# Altium PCB OneBox.PcbDoc (part 1 of 13) (continued)
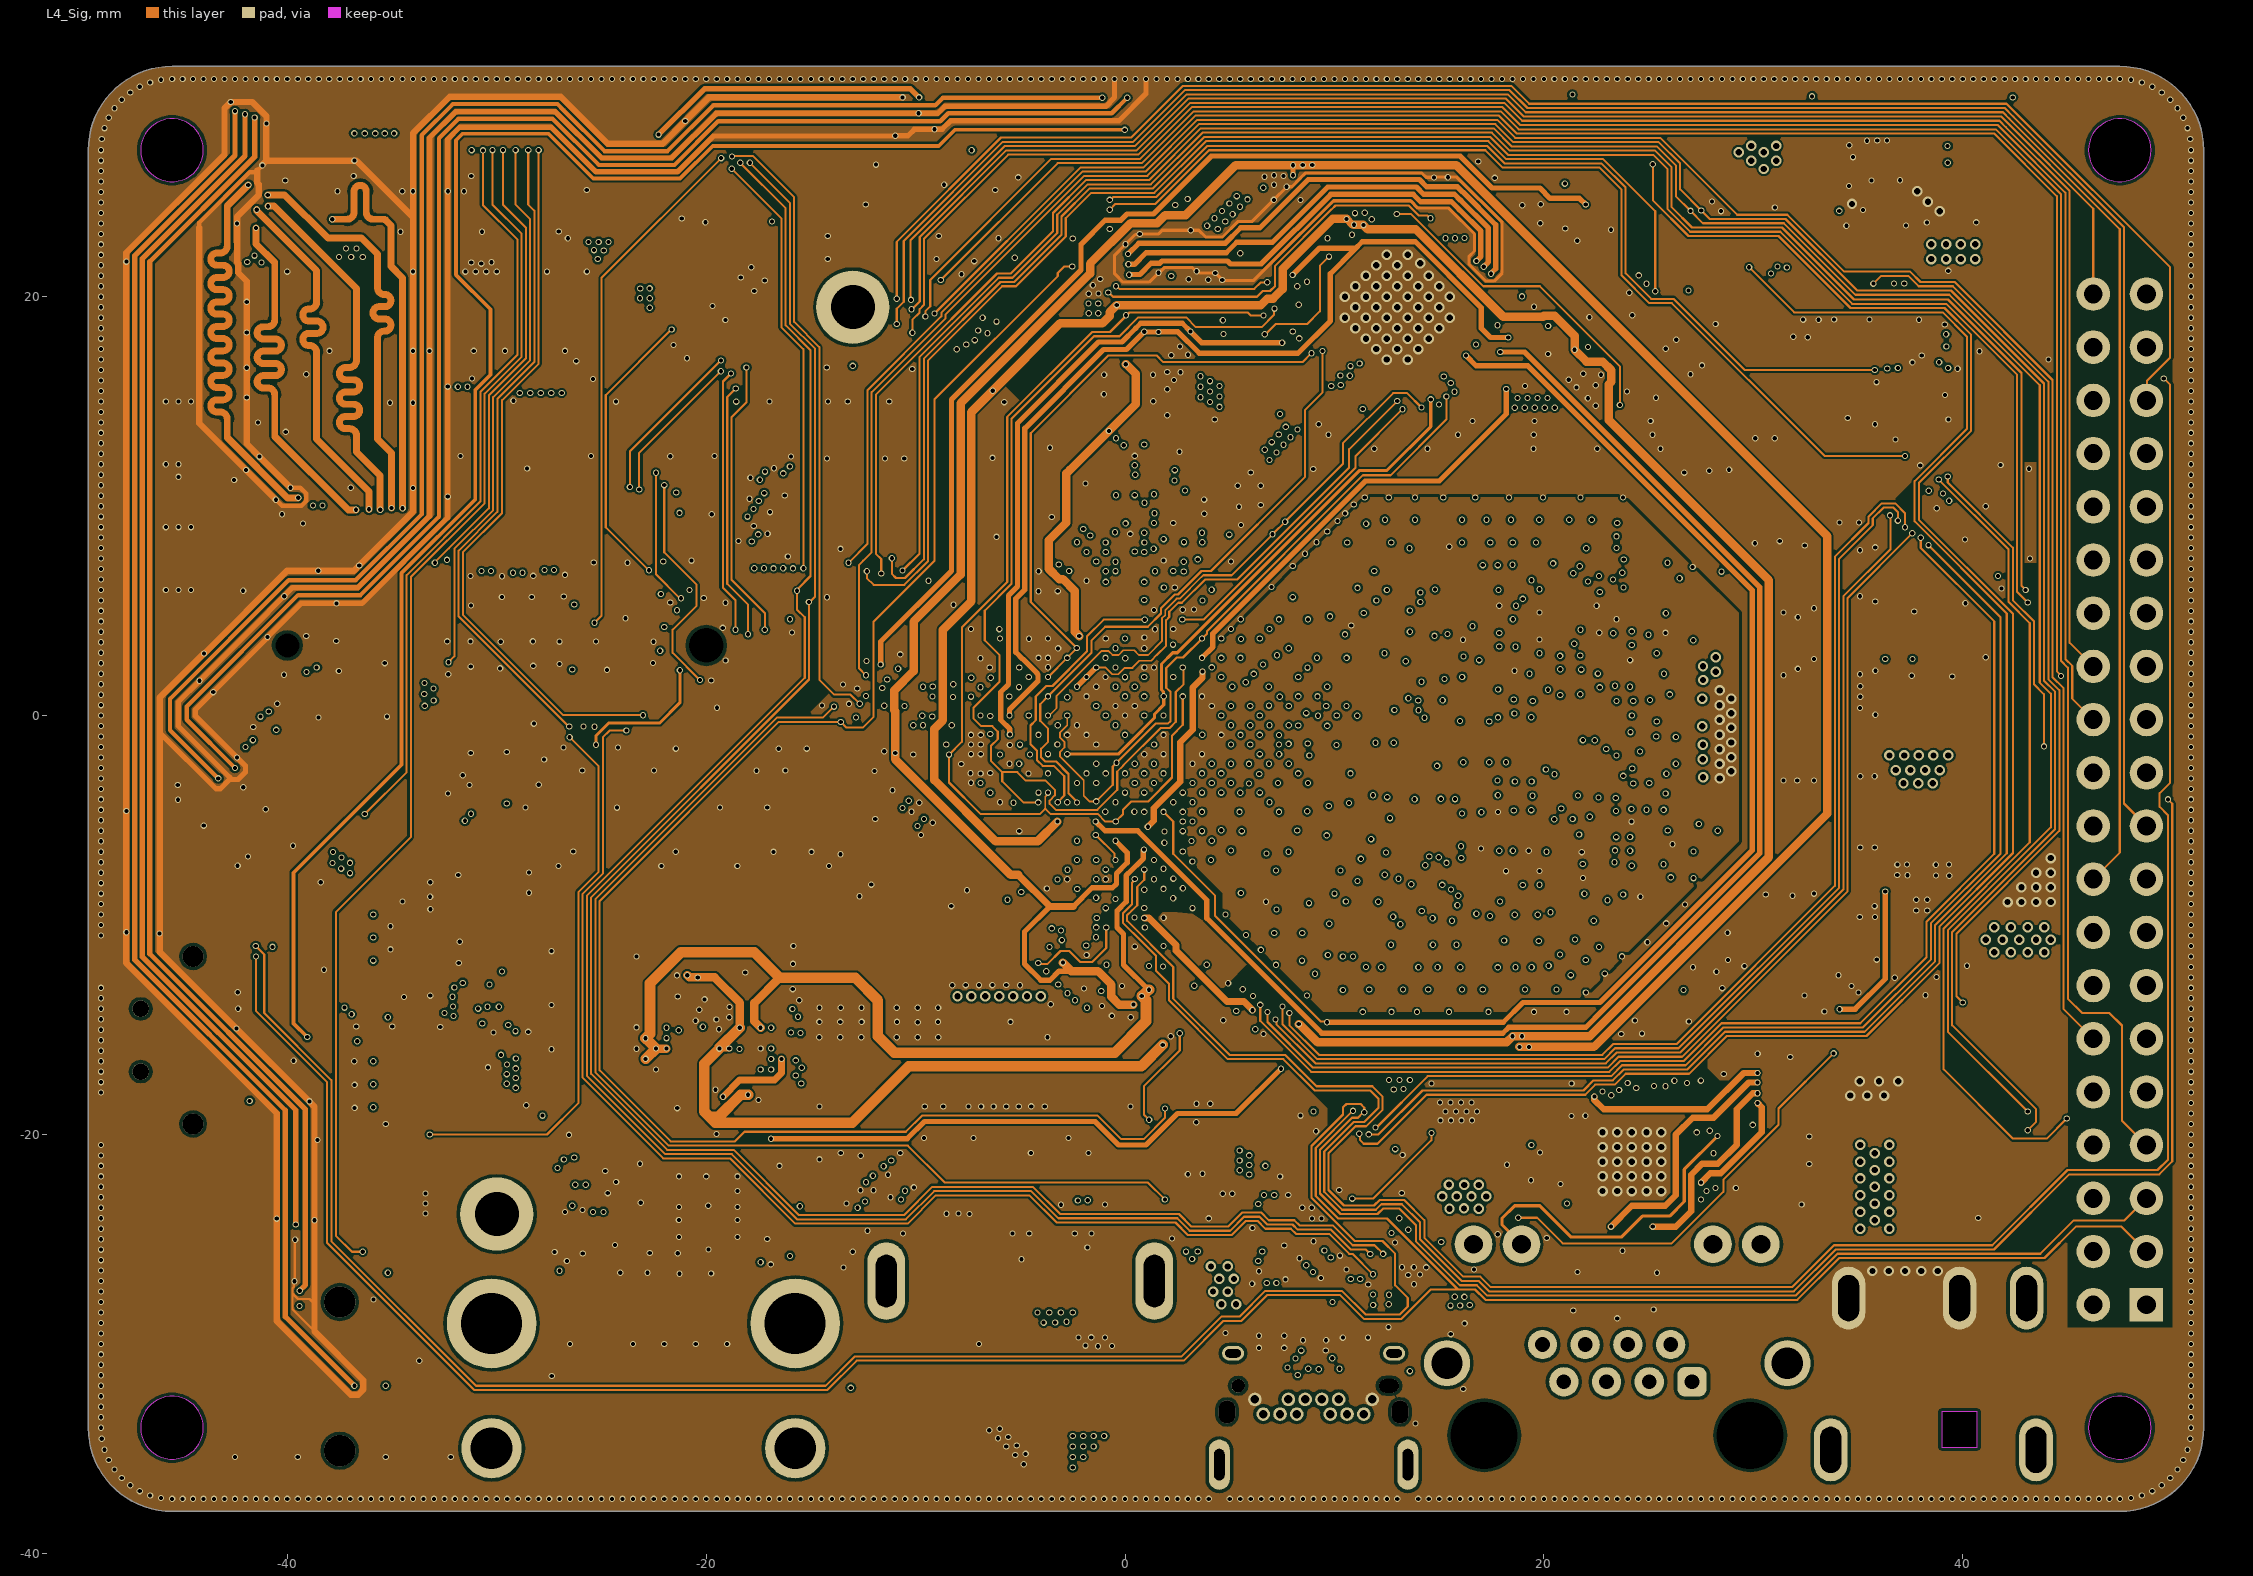
[diagram p4: L4_Sig]
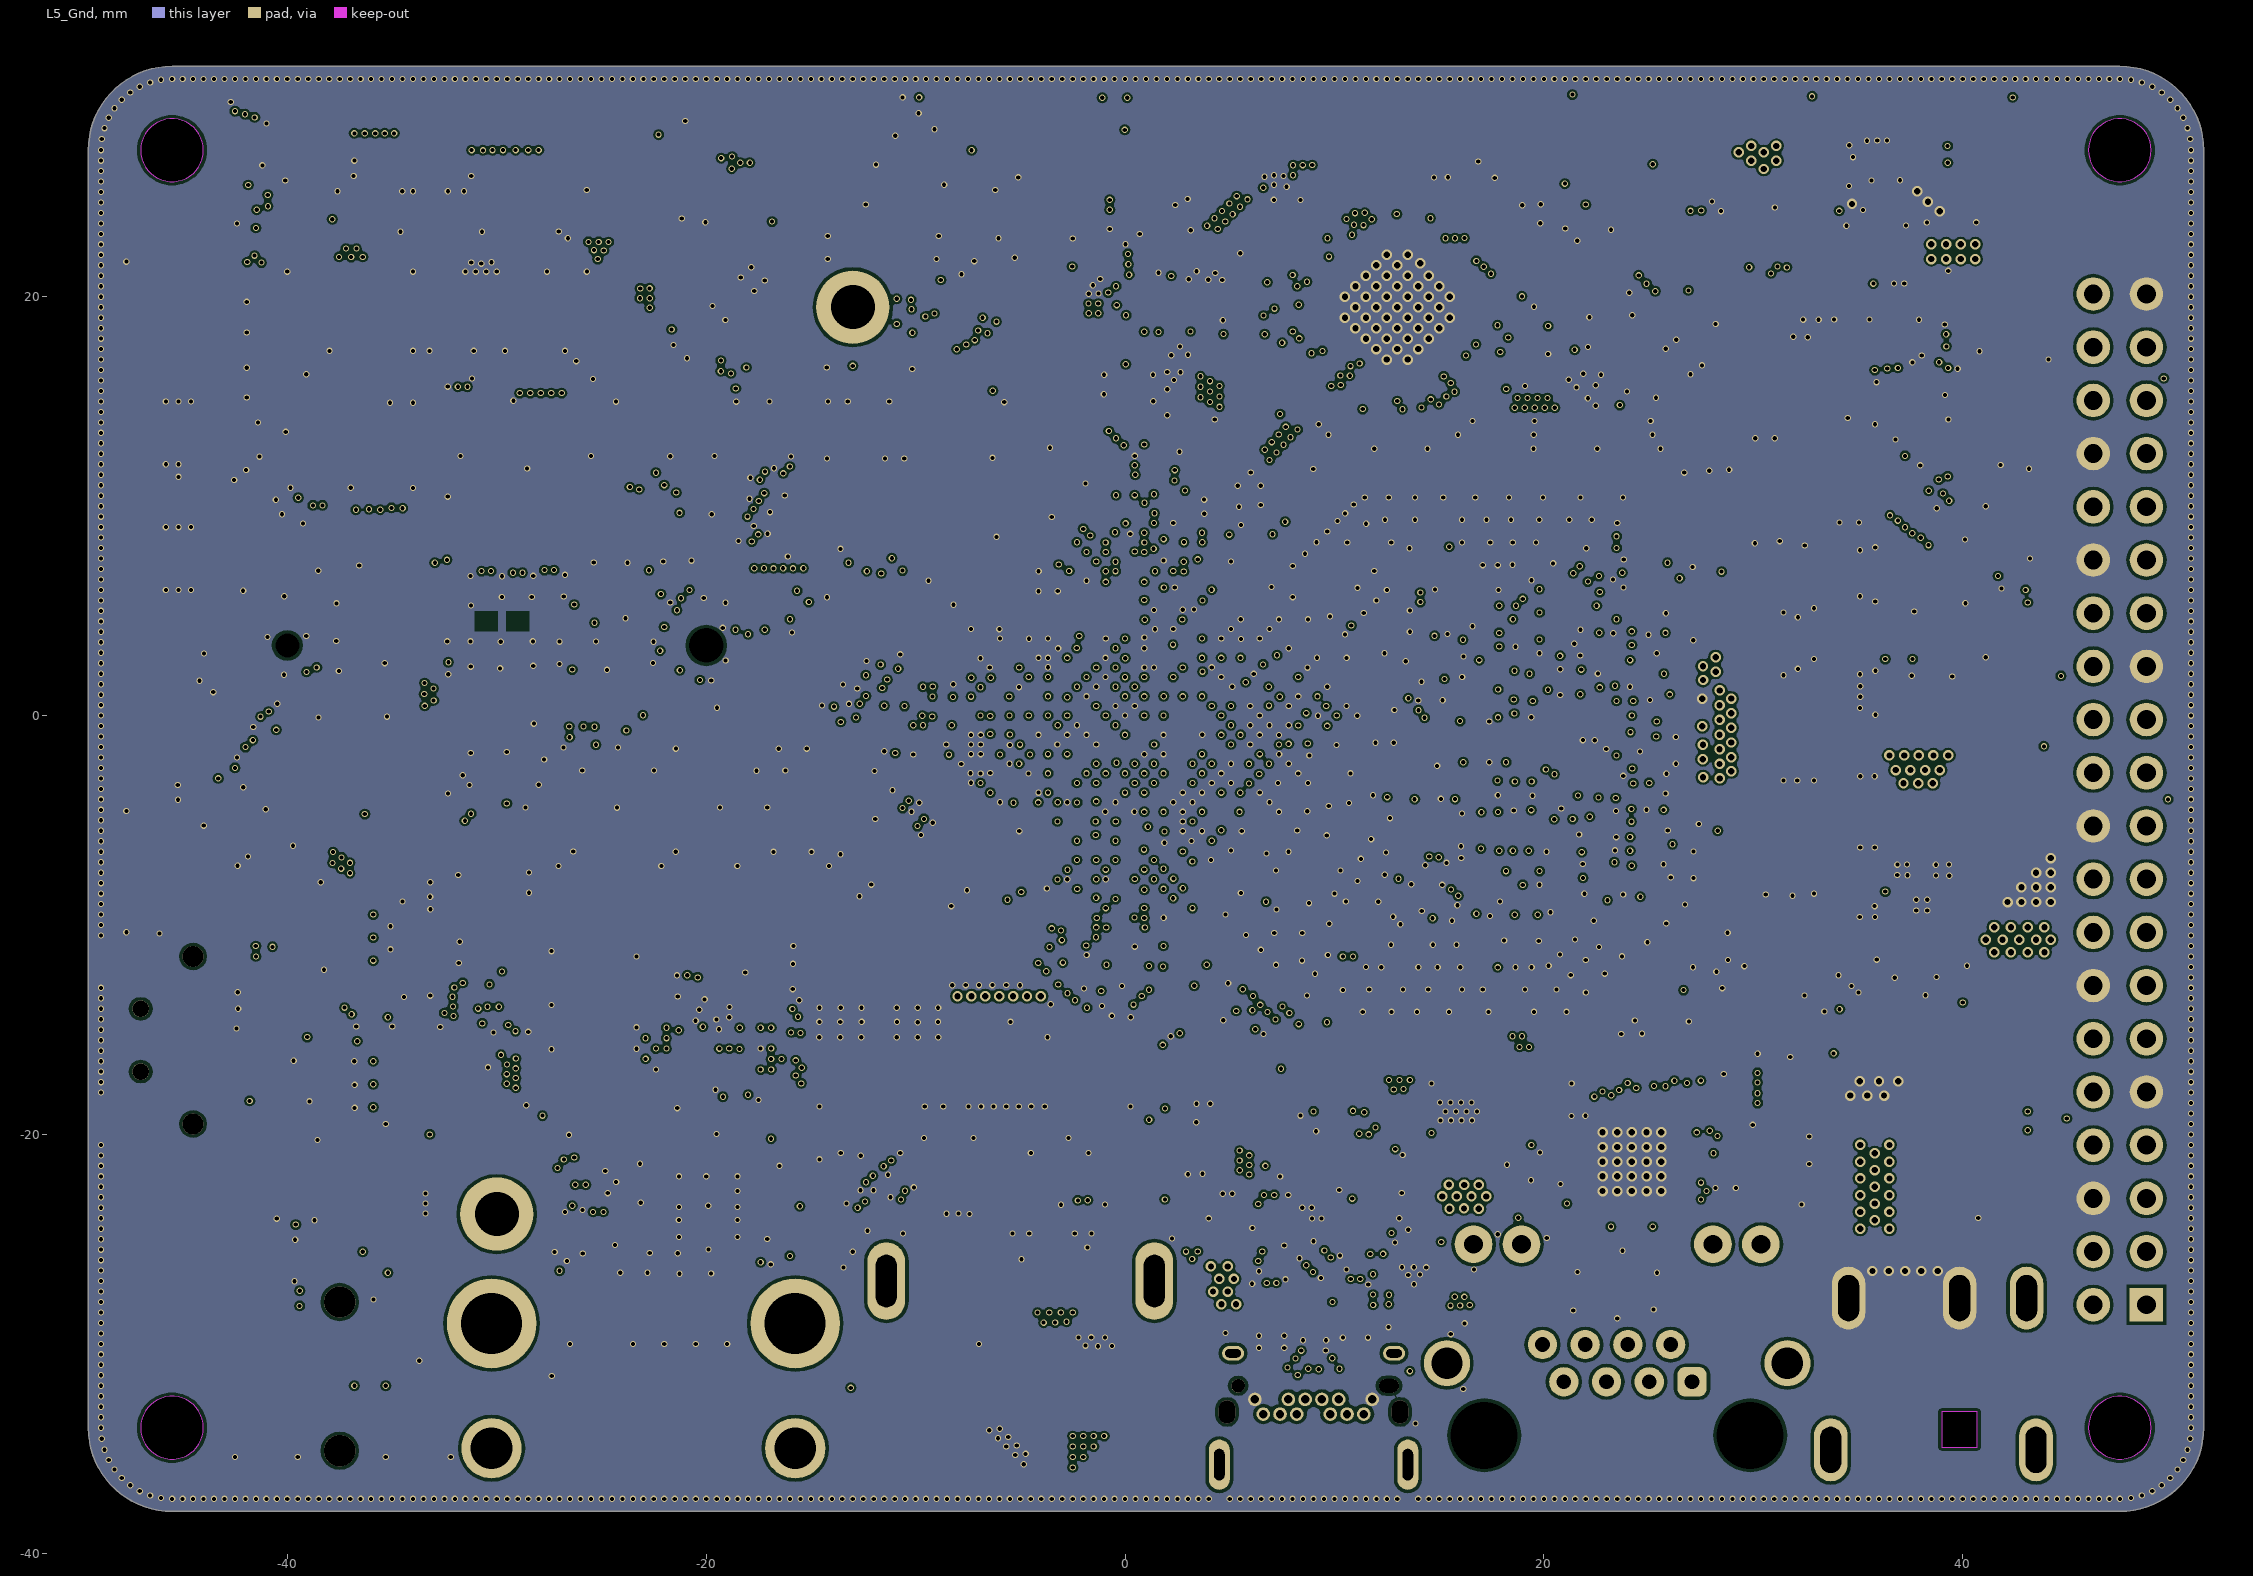
[diagram p5: L5_Gnd]

## Layer stack, top to bottom
Top Solder: solder mask 0.0102, Solder Resist, Dk 3.8
L1_Sig: signal copper 0.035
Dielectric 2: prepreg 0.0994, PP-013, Dk 4.1
L2_Gnd: signal copper 0.0152
Dielectric 4: core 0.55, Core-001, Dk 4.41
L3_Pow: signal copper 0.0152
Dielectric 1: prepreg 0.1088, PP-013, Dk 4.16
L4_Sig: signal copper 0.0152
Dielectric 5: core 0.55, Core-001, Dk 4.41
L5_Gnd: signal copper 0.0152
Dielectric 3: prepreg 0.0994, PP-013, Dk 4.1
L6_Sig: signal copper 0.035
Bottom Solder: solder mask 0.0102, Solder Resist, Dk 3.8

## Board outline
-45.5,-38 cw(c-45.5,-34) -49.5,-33.997 -49.5,-34 -49.5,27 cw(c-45.5,27) -45.497,31 47.5,31 cw(c47.5,27) 51.5,26.997 51.5,26.994 51.5,-34.003 51.5,-34 cw(c47.5,-34) 47.497,-38 47.494,-38

## Design rules (kind name [scope] priority, off if disabled: settings)
Clearance Same_Net [IsVia vs IsVia] p1: gap=0 ignorepadtopadclearanceinfootprint=TRUE except(0.13: Arc-Via Track-Via SMDPad-Via; 0.152: Via-Via)
Clearance Clearance_DDR_CLK_OTHER [InDifferentialPair('LPDDR4_A_CLK','LPDDR4_B_CLK') vs (InNetClass('DDR_A_DQ[0..15]') OR InNetClass('DDR_B_DQ[0..15]') OR InNet('DDR_A_DM0','DDR_A_DM1','DDR_B_DM0','DDR_B_DM1') OR InNet('LPDDR4_A_A0','LPDDR4_A_A1','LPDDR4_A_A2','LPDDR4_A_A3','LPDDR4_A_A4','LPDDR4_A_A5','LPDDR4_B_A0','LPDDR4_B_A1','LPDDR4_B_A2','LPDDR4_B_A3','LPDDR4_B_A4','LPDDR4_B_A5') OR InNet('LPDDR4_A_CKE0','LPDDR4_A_CKE1','LPDDR4_B_CKE0','LPDDR4_B_CKE1') OR InNet('LPDDR4_A_CS0N','LPDDR4_A_CS1N','LPDDR4_B_CS0N','LPDDR4_B_CS1N') OR InNet('LPDDR4_A_ODT0_CA','LPDDR4_B_ODT0_CA') OR InDifferentialPair('DDR_A_DQS1','DDR_A_DQS0','DDR_B_DQS1','DDR_B_DQS0') )] p2: gap=0.152 ignorepadtopadclearanceinfootprint=TRUE except(0.102: Arc-SMDPad Arc-Via Track-SMDPad SMDPad-Poly THPad-Via Via-Poly; 0.13: Track-Via SMDPad-Via; 0.356: Track-Track; 0.381: Arc-Arc Arc-Track)
Clearance Clearance_DDR_DQDM_DQS [(InNetClass('DDR_A_DQ[0..15]') OR InNetClass('DDR_B_DQ[0..15]') OR InNet('DDR_A_DM0','DDR_A_DM1','DDR_B_DM0','DDR_B_DM1')     ) vs InDifferentialPair('DDR_A_DQS1','DDR_A_DQS0','DDR_B_DQS1','DDR_B_DQS0')] p3: gap=0.152 ignorepadtopadclearanceinfootprint=TRUE except(0.102: Arc-SMDPad Arc-Via Track-SMDPad SMDPad-Poly THPad-Via Via-Poly; 0.13: Track-Via SMDPad-Via; 0.381: Arc-Arc Arc-Track Track-Track)
Clearance Clearance_DDR_Signal [(InNetClass('DDR_A_DQ[0..15]') OR InNetClass('DDR_B_DQ[0..15]') OR InNet('DDR_A_DM0','DDR_A_DM1','DDR_B_DM0','DDR_B_DM1') OR InNet('LPDDR4_A_A0','LPDDR4_A_A1','LPDDR4_A_A2','LPDDR4_A_A3','LPDDR4_A_A4','LPDDR4_A_A5','LPDDR4_B_A0','LPDDR4_B_A1','LPDDR4_B_A2','LPDDR4_B_A3','LPDDR4_B_A4','LPDDR4_B_A5') OR InNet('LPDDR4_A_CKE0','LPDDR4_A_CKE1','LPDDR4_B_CKE0','LPDDR4_B_CKE1') OR InNet('LPDDR4_A_CS0N','LPDDR4_A_CS1N','LPDDR4_B_CS0N','LPDDR4_B_CS1N') OR InNet('LPDDR4_A_ODT0_CA','LPDDR4_B_ODT0_CA')) vs (InNetClass('DDR_A_DQ[0..15]') OR InNetClass('DDR_B_DQ[0..15]') OR InNet('DDR_A_DM0','DDR_A_DM1','DDR_B_DM0','DDR_B_DM1') OR InNet('LPDDR4_A_A0','LPDDR4_A_A1','LPDDR4_A_A2','LPDDR4_A_A3','LPDDR4_A_A4','LPDDR4_A_A5','LPDDR4_B_A0','LPDDR4_B_A1','LPDDR4_B_A2','LPDDR4_B_A3','LPDDR4_B_A4','LPDDR4_B_A5') OR InNet('LPDDR4_A_CKE0','LPDDR4_A_CKE1','LPDDR4_B_CKE0','LPDDR4_B_CKE1') OR InNet('LPDDR4_A_CS0N','LPDDR4_A_CS1N','LPDDR4_B_CS0N','LPDDR4_B_CS1N') OR InNet('LPDDR4_A_ODT0_CA','LPDDR4_B_ODT0_CA'))] p4: gap=0.152 ignorepadtopadclearanceinfootprint=TRUE except(0.102: Arc-SMDPad Track-SMDPad THPad-Via; 0.13: Arc-Via Track-Via SMDPad-Via; 0.203: Arc-Arc Arc-Track Track-Track)
Clearance Clearance_RGMII_Signal [InNet('GMAC1_TXD0_M1','GMAC1_TXD1_M1','GMAC1_TXD2_M1','GMAC1_TXD3_M1','GMAC1_TXEN_M1','GMAC1_TXCLK_M1') OR InNet('GMAC1_RXD0_M1','GMAC1_RXD1_M1','GMAC1_RXD2_M1','GMAC1_RXD3_M1','GMAC1_RXDV_CRS_M1','GMAC1_RXCLK_M1') vs InNet('GMAC1_TXD0_M1','GMAC1_TXD1_M1','GMAC1_TXD2_M1','GMAC1_TXD3_M1','GMAC1_TXEN_M1','GMAC1_TXLCK_M1') OR InNet('GMAC1_RXD0_M1','GMAC1_RXD1_M1','GMAC1_RXD2_M1','GMAC1_RXD3_M1','GMAC1_RXDV_CRS_M1','GMAC1_RXCLK_M1')] p5: gap=0.152 ignorepadtopadclearanceinfootprint=TRUE except(0.102: Arc-SMDPad Track-SMDPad THPad-Via; 0.13: Arc-Via Track-Via SMDPad-Via; 0.203: Arc-Arc Arc-Track Track-Track)
Clearance Clearance_SDMMC [InNet('SDMMC2_CLK_M0','SDMMC2_D0_M0','SDMMC2_D1_M0','SDMMC2_D2_M0','SDMMC2_D3_M0','SDMMC2_CMD_M0')  OR InNet('SDMMC0_D1','SDMMC0_D0','SDMMC0_CLK','SDMMC0_CMD','SDMMC0_D3/ARMJTAG_TMS','SDMMC0_D2/ARMJTAG_TCK') vs InNet('SDMMC2_CLK_M0','SDMMC2_D0_M0','SDMMC2_D1_M0','SDMMC2_D2_M0','SDMMC2_D3_M0','SDMMC2_CMD_M0')  OR InNet('SDMMC0_D1','SDMMC0_D0','SDMMC0_CLK','SDMMC0_CMD','SDMMC0_D3/ARMJTAG_TMS','SDMMC0_D2/ARMJTAG_TCK')] p6: gap=0.152 ignorepadtopadclearanceinfootprint=TRUE except(0.102: Arc-SMDPad Track-SMDPad THPad-Via; 0.13: Arc-Via Track-Via SMDPad-Via; 0.203: Arc-Arc Arc-Track Track-Track)
Clearance Clearance_EMMC [InNet('eMMC_DATA_STROBE/FLASH_CLE','eMMC_D7/FLASH_D7','eMMC_D6/FLASH_D6','eMMC_D2/FLASH_D2','eMMC_D5/FLASH_D5','eMMC_D1/FLASH_D1','eMMC_D4/FLASH_D4','eMMC_D0/FLASH_D0','eMMC_D3/FLASH_D3','eMMC_CMD/FLASH_WRn','eMMC_CLKOUT/FLASH_DQS')   OR InNet('eMMC_RSTn/FSPI_D2/FLASH_WPn','FSPI_D1/FLASH_RDn','FSPI_CS0n/FLASH_CS0n','FSPI_D0/FLASH_RDY','FSPI_D3/FLASH_CS1n','FSPI_CLK/FLASH_ALE') vs InNet('eMMC_DATA_STROBE/FLASH_CLE','eMMC_D7/FLASH_D7','eMMC_D6/FLASH_D6','eMMC_D2/FLASH_D2','eMMC_D5/FLASH_D5','eMMC_D1/FLASH_D1','eMMC_D4/FLASH_D4','eMMC_D0/FLASH_D0','eMMC_D3/FLASH_D3','eMMC_CMD/FLASH_WRn','eMMC_CLKOUT/FLASH_DQS')   OR InNet('eMMC_RSTn/FSPI_D2/FLASH_WPn','FSPI_D1/FLASH_RDn','FSPI_CS0n/FLASH_CS0n','FSPI_D0/FLASH_RDY','FSPI_D3/FLASH_CS1n','FSPI_CLK/FLASH_ALE')] p7: gap=0.152 ignorepadtopadclearanceinfootprint=TRUE except(0.102: Arc-Arc Arc-Track Arc-SMDPad Track-Track Track-SMDPad; 0.13: Arc-Via Track-Via SMDPad-Via THPad-Via)
Clearance [All] p8: gap=0.152 ignorepadtopadclearanceinfootprint=TRUE except(0.102: Arc-Arc Arc-Track Arc-SMDPad Arc-Via Track-Track Track-SMDPad Track-Poly SMDPad-Poly THPad-Via Via-Poly Via-Region; 0.13: Track-Via SMDPad-Via)
DiffPairsRouting DiffPairsRouting_PCIE20 [InDifferentialPair('PCIE20_REFCLK','PCIE20_TX','PCIE20_RX','PCIE20TX','PCIE20RX')] p1: maxlimit=0.508 minlimit=0.127 mostfreqgap=0.229 toplayer_mingap=0.229 toplayer_minwidth=0.091 toplayer_maxwidth=0.091 toplayer_prefwidth=0.091 midlayer1_mingap=0.229 midlayer1_minwidth=0.091 midlayer1_maxwidth=0.091 midlayer1_prefwidth=0.091 midlayer2_mingap=0.229 midlayer2_minwidth=0.091 midlayer2_maxwidth=0.091 midlayer2_prefwidth=0.091 midlayer3_prefgap=0.127 midlayer3_minwidth=0.097 midlayer3_maxwidth=0.097 midlayer3_prefwidth=0.097 midlayer4_mingap=0.229 midlayer4_minwidth=0.091 midlayer4_maxwidth=0.091 midlayer4_prefwidth=0.091 bottomlayer_mingap=0.229 bottomlayer_minwidth=0.091 bottomlayer_maxwidth=0.091 bottomlayer_prefwidth=0.091 maxuncoupledlength=12.7
DiffPairsRouting DiffPairsRouting_USB [InDifferentialPair('USB3_OTG0_DP/DM','USB3_OTG0_SSTX','USB3_OTG0_SSRX','USB3_HOST1_SSTX','USB3_HOST1_SSRX','USB3_HOST1_DP/DM','TYPEC0TX1','TYPEC0TX2','TYPEC0RX1','TYPEC0RX2','SSTXCOM','SSRXCOM') OR InDifferentialPair('USB2_HOST2_DP/DM','USB2_M2_DP/DM','USB2_DP/DM','USB3_DP/DM')] p2: maxlimit=0.508 minlimit=0.102 mostfreqgap=0.114 toplayer_mingap=0.114 toplayer_minwidth=0.091 toplayer_maxwidth=0.091 toplayer_prefwidth=0.091 midlayer1_mingap=0.114 midlayer1_minwidth=0.091 midlayer1_maxwidth=0.091 midlayer1_prefwidth=0.091 midlayer2_mingap=0.114 midlayer2_minwidth=0.091 midlayer2_maxwidth=0.091 midlayer2_prefwidth=0.091 midlayer3_prefgap=0.102 midlayer3_minwidth=0.109 midlayer3_maxwidth=0.109 midlayer3_prefwidth=0.109 midlayer4_mingap=0.114 midlayer4_minwidth=0.091 midlayer4_maxwidth=0.091 midlayer4_prefwidth=0.091 bottomlayer_mingap=0.114 bottomlayer_minwidth=0.091 bottomlayer_maxwidth=0.091 bottomlayer_prefwidth=0.091 maxuncoupledlength=12.7
DiffPairsRouting DiffPairsRouting_PHY_DMI [InDifferentialPair('PHY1_MDI0','PHY1_MDI1','PHY1_MDI2','PHY1_MDI3')  Or InDifferentialPair('PHY1_MDI_0','PHY1_MDI_1','PHY1_MDI_2','PHY1_MDI_3')] p3: maxlimit=0.508 minlimit=0.127 mostfreqgap=0.229 toplayer_mingap=0.229 toplayer_minwidth=0.091 toplayer_maxwidth=0.091 toplayer_prefwidth=0.091 midlayer1_mingap=0.229 midlayer1_minwidth=0.091 midlayer1_maxwidth=0.091 midlayer1_prefwidth=0.091 midlayer2_mingap=0.229 midlayer2_minwidth=0.091 midlayer2_maxwidth=0.091 midlayer2_prefwidth=0.091 midlayer3_prefgap=0.127 midlayer3_minwidth=0.097 midlayer3_maxwidth=0.097 midlayer3_prefwidth=0.097 midlayer4_mingap=0.229 midlayer4_minwidth=0.091 midlayer4_maxwidth=0.091 midlayer4_prefwidth=0.091 bottomlayer_mingap=0.229 bottomlayer_minwidth=0.091 bottomlayer_maxwidth=0.091 bottomlayer_prefwidth=0.091 maxuncoupledlength=12.7
DiffPairsRouting DiffPairsRouting_MIPI [InDifferentialPair('MIPI_CSI_RX_CLK0','MIPI_CSI_RX_D0','MIPI_CSI_RX_D1') OR InDifferentialPair('MIPI_DSI_TX0_CLK','MIPI_DSI_TX0_D0','MIPI_DSI_TX0_D1','MIPI_DSI_TX0_D2','MIPI_DSI_TX0_D3')] p4: maxlimit=0.508 minlimit=0.127 mostfreqgap=0.229 toplayer_mingap=0.229 toplayer_minwidth=0.091 toplayer_maxwidth=0.091 toplayer_prefwidth=0.091 midlayer1_mingap=0.229 midlayer1_minwidth=0.091 midlayer1_maxwidth=0.091 midlayer1_prefwidth=0.091 midlayer2_mingap=0.229 midlayer2_minwidth=0.091 midlayer2_maxwidth=0.091 midlayer2_prefwidth=0.091 midlayer3_prefgap=0.127 midlayer3_minwidth=0.097 midlayer3_maxwidth=0.097 midlayer3_prefwidth=0.097 midlayer4_mingap=0.229 midlayer4_minwidth=0.091 midlayer4_maxwidth=0.091 midlayer4_prefwidth=0.091 bottomlayer_mingap=0.229 bottomlayer_minwidth=0.091 bottomlayer_maxwidth=0.091 bottomlayer_prefwidth=0.091 maxuncoupledlength=12.7
DiffPairsRouting DiffPairsRouting_HDMI [InDifferentialPair('HDMI_PORT_TXCLK','HDMI_PORT_TX0','HDMI_PORT_TX1','HDMI_PORT_TX2')] p5: maxlimit=0.508 minlimit=0.127 mostfreqgap=0.229 toplayer_mingap=0.229 toplayer_minwidth=0.091 toplayer_maxwidth=0.091 toplayer_prefwidth=0.091 midlayer1_mingap=0.229 midlayer1_minwidth=0.091 midlayer1_maxwidth=0.091 midlayer1_prefwidth=0.091 midlayer2_mingap=0.229 midlayer2_minwidth=0.091 midlayer2_maxwidth=0.091 midlayer2_prefwidth=0.091 midlayer3_prefgap=0.127 midlayer3_minwidth=0.097 midlayer3_maxwidth=0.097 midlayer3_prefwidth=0.097 midlayer4_mingap=0.229 midlayer4_minwidth=0.091 midlayer4_maxwidth=0.091 midlayer4_prefwidth=0.091 bottomlayer_mingap=0.229 bottomlayer_minwidth=0.091 bottomlayer_maxwidth=0.091 bottomlayer_prefwidth=0.091 maxuncoupledlength=12.7
DiffPairsRouting DiffPairsRouting_DDR_DQS [InDifferentialPair('DDR_A_DQS1','DDR_A_DQS0','DDR_B_DQS1','DDR_B_DQS0')  Or  InDifferentialPair('LPDDR4_A_CLK','LPDDR4_B_CLK')] p6: maxlimit=0.508 minlimit=0.127 mostfreqgap=0.229 toplayer_mingap=0.229 toplayer_minwidth=0.091 toplayer_maxwidth=0.091 toplayer_prefwidth=0.091 midlayer1_mingap=0.229 midlayer1_minwidth=0.091 midlayer1_maxwidth=0.091 midlayer1_prefwidth=0.091 midlayer2_mingap=0.229 midlayer2_minwidth=0.091 midlayer2_maxwidth=0.091 midlayer2_prefwidth=0.091 midlayer3_prefgap=0.127 midlayer3_minwidth=0.097 midlayer3_maxwidth=0.097 midlayer3_prefwidth=0.097 midlayer4_mingap=0.229 midlayer4_minwidth=0.091 midlayer4_maxwidth=0.091 midlayer4_prefwidth=0.091 bottomlayer_mingap=0.229 bottomlayer_minwidth=0.091 bottomlayer_maxwidth=0.091 bottomlayer_prefwidth=0.091 maxuncoupledlength=12.7
DiffPairsRouting [All] p7: maxlimit=0.254 minlimit=0.203 mostfreqgap=0.254 toplayer_minwidth=0.102 toplayer_maxwidth=0.102 toplayer_prefwidth=0.102 midlayer1_minwidth=0.102 midlayer1_maxwidth=0.102 midlayer1_prefwidth=0.102 midlayer2_minwidth=0.102 midlayer2_maxwidth=0.102 midlayer2_prefwidth=0.102 midlayer3_minwidth=0.102 midlayer3_maxwidth=0.102 midlayer3_prefwidth=0.102 midlayer4_minwidth=0.102 midlayer4_maxwidth=0.102 midlayer4_prefwidth=0.102 bottomlayer_minwidth=0.102 bottomlayer_maxwidth=0.102 bottomlayer_prefwidth=0.102 maxuncoupledlength=12.7
HoleSize [All] p1: absolutevalues=TRUE maxlimit=3.81 minlimit=0.025 maxpercent=80.000 minpercent=20.000
HoleToHoleClearance [All] p1: gap=0.051 allowstackedmicrovias=TRUE
MinimumSolderMaskSliver [All] p1: minsoldermaskwidth=0.051
PolygonConnect [All] p1: connectstyle=Direct reliefconductorwidth=0.254 reliefentries=4 polygonreliefangle="90 Angle" airgapwidth=0.254
RoutingVias [All] p1: holewidth=0.2 width=0.3 viastyle="Through Hole" minholewidth=0.2 minwidth=0.3 maxholewidth=0.711 maxwidth=1.27
SilkToSolderMaskClearance [IsPad] p1: minsilkscreentomaskgap=0.051 clearancetoexposedcopper=TRUE
SolderMaskExpansion [All] p1: expansion=0.102 istentingtop=FALSE
Width Width_DDR_Signal [(InNetClass('DDR_A_DQ[0..15]') OR InNetClass('DDR_B_DQ[0..15]') OR InNet('DDR_A_DM0','DDR_A_DM1','DDR_B_DM0','DDR_B_DM1') OR InNet('LPDDR4_A_A0','LPDDR4_A_A1','LPDDR4_A_A2','LPDDR4_A_A3','LPDDR4_A_A4','LPDDR4_A_A5','LPDDR4_B_A0','LPDDR4_B_A1','LPDDR4_B_A2','LPDDR4_B_A3','LPDDR4_B_A4','LPDDR4_B_A5') OR InNet('LPDDR4_A_CKE0','LPDDR4_A_CKE1','LPDDR4_B_CKE0','LPDDR4_B_CKE1') OR InNet('LPDDR4_A_CS0N','LPDDR4_A_CS1N','LPDDR4_B_CS0N','LPDDR4_B_CS1N') OR InNet('LPDDR4_A_ODT0_CA','LPDDR4_B_ODT0_CA'))] p1: maxlimit=0.104 minlimit=0.104 preferedwidth=0.104
Width Width_Ethernet_Signal [(InNet('GMAC1_TXD0_M1','GMAC1_TXD1_M1','GMAC1_TXD2_M1','GMAC1_TXD3_M1','GMAC1_TXEN_M1','GMAC1_TXCLK_M1') OR InNet('GMAC1_RXD0_M1','GMAC1_RXD1_M1','GMAC1_RXD2_M1','GMAC1_RXD3_M1','GMAC1_RXDV_CRS_M1','GMAC1_RXCLK_M1'))] p2: maxlimit=0.104 minlimit=0.104 preferedwidth=0.104
Width Width_SDMMC [InNet('SDMMC2_CLK_M0','SDMMC2_D0_M0','SDMMC2_D1_M0','SDMMC2_D2_M0','SDMMC2_D3_M0','SDMMC2_CMD_M0')  OR InNet('SDMMC0_D1','SDMMC0_D0','SDMMC0_CLK','SDMMC0_CMD','SDMMC0_D3/ARMJTAG_TMS','SDMMC0_D2/ARMJTAG_TCK')] p3: maxlimit=0.33 minlimit=0.104 preferedwidth=0.33 toplayer_maxwidth=0.104 toplayer_prefwidth=0.104 midlayer1_maxwidth=0.104 midlayer1_prefwidth=0.104 midlayer2_maxwidth=0.104 midlayer2_prefwidth=0.104 midlayer3_minwidth=0.33 midlayer4_maxwidth=0.104 midlayer4_prefwidth=0.104 bottomlayer_maxwidth=0.104 bottomlayer_prefwidth=0.104 minimp=50.000000 maximp=50.000000 favimp=50.000000
Width Width_EMMC_FSPI [InNet('eMMC_DATA_STROBE/FLASH_CLE','eMMC_D7/FLASH_D7','eMMC_D6/FLASH_D6','eMMC_D2/FLASH_D2','eMMC_D5/FLASH_D5','eMMC_D1/FLASH_D1','eMMC_D4/FLASH_D4','eMMC_D0/FLASH_D0','eMMC_D3/FLASH_D3','eMMC_CMD/FLASH_WRn','eMMC_CLKOUT/FLASH_DQS')   OR InNet('eMMC_RSTn/FSPI_D2/FLASH_WPn','FSPI_D1/FLASH_RDn','FSPI_CS0n/FLASH_CS0n','FSPI_D0/FLASH_RDY','FSPI_D3/FLASH_CS1n','FSPI_CLK/FLASH_ALE')] p4: maxlimit=0.33 minlimit=0.104 preferedwidth=0.33 toplayer_maxwidth=0.104 toplayer_prefwidth=0.104 midlayer1_maxwidth=0.104 midlayer1_prefwidth=0.104 midlayer2_maxwidth=0.104 midlayer2_prefwidth=0.104 midlayer3_minwidth=0.33 midlayer4_maxwidth=0.104 midlayer4_prefwidth=0.104 bottomlayer_maxwidth=0.104 bottomlayer_prefwidth=0.104 minimp=50.000000 maximp=50.000000 favimp=50.000000
Width [All] p5: maxlimit=2.54 minlimit=0.089 preferedwidth=0.254
25 further rules are at their usual default settings.

## Classes and differential pairs
net class PHY1: PHY1_MDI0_N PHY1_MDI0_P PHY1_MDI1_N PHY1_MDI1_P PHY1_MDI2_N PHY1_MDI2_P PHY1_MDI3_N PHY1_MDI3_P PHY1_MDI_0_N PHY1_MDI_0_P PHY1_MDI_1_N PHY1_MDI_1_P PHY1_MDI_2_N PHY1_MDI_2_P PHY1_MDI_3_N PHY1_MDI_3_P
net class GMAC1: GMAC1_MDC_M1 GMAC1_MDIO_M1 GMAC1_RXCLK_M1 GMAC1_RXD0_M1 GMAC1_RXD1_M1 GMAC1_RXD2_M1 GMAC1_RXD3_M1 GMAC1_RXDV_CRS_M1 GMAC1_TXCLK_M1 GMAC1_TXD0_M1 GMAC1_TXD1_M1 GMAC1_TXD2_M1 GMAC1_TXD3_M1 GMAC1_TXEN_M1 PHY1_RXCLK/PHYAD1 PHY1_RXD0/RXDLY PHY1_RXD1/TXDLY PHY1_RXD2/PLLOFF PHY1_RXD3/PHYAD0 PHY1_RXDV/PHYAD2
net class SDMMC2: SDMMC2_CLK_M0 SDMMC2_CMD_M0 SDMMC2_D0_M0 SDMMC2_D1_M0 SDMMC2_D2_M0 SDMMC2_D3_M0
net class PCIE20: PCIE20_REFCLK_N PCIE20_REFCLK_P PCIE20_RX_N PCIE20_RX_P PCIE20_TX_N PCIE20_TX_P PCIE20RX_N PCIE20RX_P PCIE20TX_N PCIE20TX_P
net class SD_CARD: SDMMC0_CLK SDMMC0_CMD SDMMC0_D0 SDMMC0_D1 SDMMC0_D2/ARMJTAG_TCK SDMMC0_D3/ARMJTAG_TMS
net class USB2_HOST2: USB2_DP/DM_N USB2_DP/DM_P USB2_HOST2_DP/DM_N USB2_HOST2_DP/DM_P USB2_M2_DP/DM_N USB2_M2_DP/DM_P USB3_DP/DM_N USB3_DP/DM_P
net class USB3_OTG0: TYPEC0_M TYPEC0_P TYPEC0_RX1_N TYPEC0_RX1_P TYPEC0_RX2_N TYPEC0_RX2_P TYPEC0_TX1_N TYPEC0_TX1_P TYPEC0_TX2_N TYPEC0_TX2_P TYPEC0RX1_N TYPEC0RX1_P TYPEC0RX2_N TYPEC0RX2_P TYPEC0TX1_N TYPEC0TX1_P TYPEC0TX1N TYPEC0TX1P TYPEC0TX2_N TYPEC0TX2_P TYPEC0TX2N TYPEC0TX2P USB3_OTG0_DP/DM_N USB3_OTG0_DP/DM_P USB3_OTG0_SSRX_N USB3_OTG0_SSRX_P USB3_OTG0_SSTX_N USB3_OTG0_SSTX_P
net class USB3_HOST1: USB3_HOST1_DP/DM_N USB3_HOST1_DP/DM_P USB3_HOST1_SSRX_N USB3_HOST1_SSRX_P USB3_HOST1_SSTX_N USB3_HOST1_SSTX_P USB3_HOST1DM USB3_HOST1DP USB3_HOST1SSRXN USB3_HOST1SSRXP USB3_HOST1SSTXN USB3_HOST1SSTXP
net class HDMI_PORT_TX: HDMI_PORT_TX0_N HDMI_PORT_TX0_P HDMI_PORT_TX1_N HDMI_PORT_TX1_P HDMI_PORT_TX2_N HDMI_PORT_TX2_P HDMI_PORT_TXCLK_N HDMI_PORT_TXCLK_P
net class MIPI_CSI_RX0: MIPI_CSI_RX_CLK0_N MIPI_CSI_RX_CLK0_P MIPI_CSI_RX_D0_N MIPI_CSI_RX_D0_P MIPI_CSI_RX_D1_N MIPI_CSI_RX_D1_P
net class MIPI_DSI_TX0: MIPI_DSI_TX0_CLK_N MIPI_DSI_TX0_CLK_P MIPI_DSI_TX0_D0_N MIPI_DSI_TX0_D0_P MIPI_DSI_TX0_D1_N MIPI_DSI_TX0_D1_P MIPI_DSI_TX0_D2_N MIPI_DSI_TX0_D2_P MIPI_DSI_TX0_D3_N MIPI_DSI_TX0_D3_P
net class FSPI: eMMC_RSTn/FSPI_D2/FLASH_WPn FSPI_CLK/FLASH_ALE FSPI_CS0n/FLASH_CS0n FSPI_D0/FLASH_RDY FSPI_D1/FLASH_RDn FSPI_D3/FLASH_CS1n
net class eMMC: eMMC_CLKOUT/FLASH_DQS eMMC_CMD/FLASH_WRn eMMC_D0/FLASH_D0 eMMC_D1/FLASH_D1 eMMC_D2/FLASH_D2 eMMC_D3/FLASH_D3 eMMC_D4/FLASH_D4 eMMC_D5/FLASH_D5 eMMC_D6/FLASH_D6 eMMC_D7/FLASH_D7 eMMC_DATA_STROBE/FLASH_CLE
net class DDR_B_DQS1: DDR_B_DQS1_N DDR_B_DQS1_P
net class DDR_B_DQS0: DDR_B_DQS0_N DDR_B_DQS0_P
net class DDR_A_DQS1: DDR_A_DQS1_N DDR_A_DQS1_P
net class DDR_A_DQS0: DDR_A_DQS0_N DDR_A_DQS0_P
net class LPDDR4_B_CLK: LPDDR4_B_CLK_N LPDDR4_B_CLK_P
net class LPDDR4_A_CLK: LPDDR4_A_CLK_N LPDDR4_A_CLK_P
net class DDR_B_DQ[0..15]: DDR_B_DQ0 DDR_B_DQ1 DDR_B_DQ2 DDR_B_DQ3 DDR_B_DQ4 DDR_B_DQ5 DDR_B_DQ6 DDR_B_DQ7 DDR_B_DQ8 DDR_B_DQ9 DDR_B_DQ10 DDR_B_DQ11 DDR_B_DQ12 DDR_B_DQ13 DDR_B_DQ14 DDR_B_DQ15
net class DDR_A_DQ[0..15]: DDR_A_DQ0 DDR_A_DQ1 DDR_A_DQ2 DDR_A_DQ3 DDR_A_DQ4 DDR_A_DQ5 DDR_A_DQ6 DDR_A_DQ7 DDR_A_DQ8 DDR_A_DQ9 DDR_A_DQ10 DDR_A_DQ11 DDR_A_DQ12 DDR_A_DQ13 DDR_A_DQ14 DDR_A_DQ15